# KiCad board Decent1200.kicad_pcb (continued)
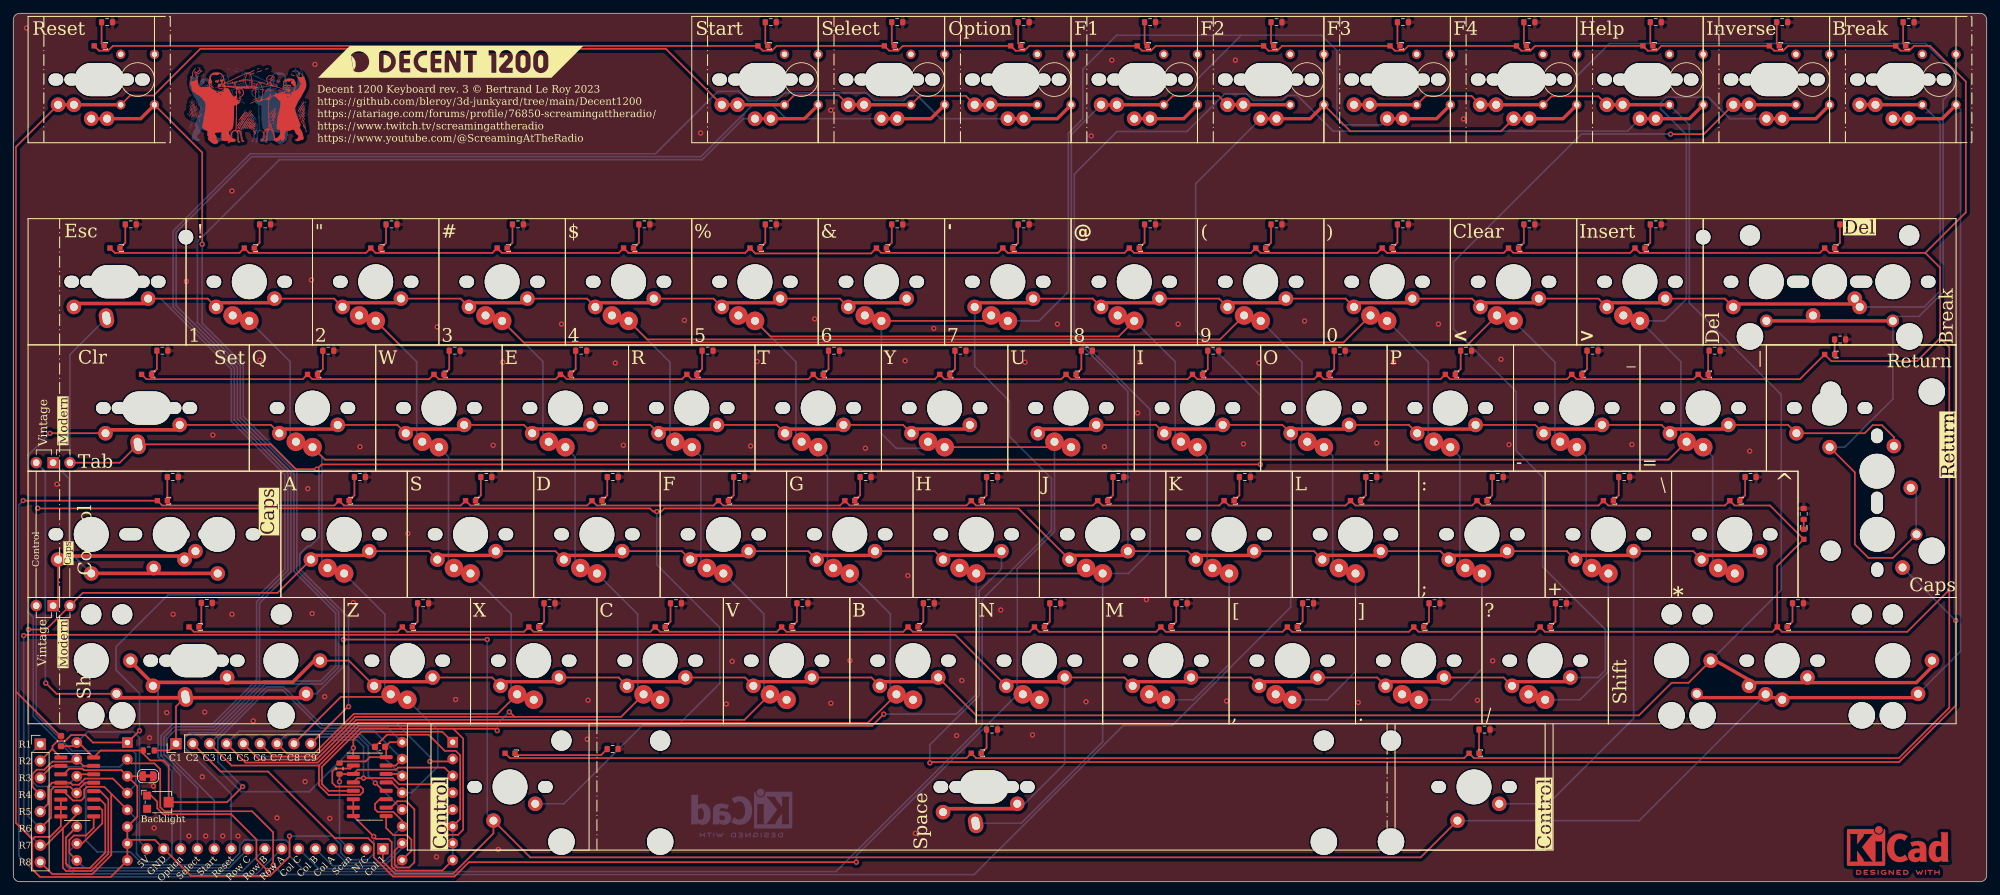
[diagram p0: board, top side]
## Nets (continued)
Net-(R8-Pad1): R8.1 SW7.3
Net-(R9-Pad1): R9.1 SW6.3
Net-(R10-Pad1): R10.1 SWU1.3
Net-(R11-Pad1): R11.1 SWY1.3
Net-(R12-Pad1): R12.1 SWFn1.3
Net-(R13-Pad1): R13.1 SWN1.3
Net-(R14-Pad1): R14.1 SWFn3.3
Net-(R15-Pad1): R15.1 SWOption1.3
Net-(R16-Pad1): R16.1 SWJ1.3
Net-(R17-Pad1): R17.1 SWH1.3
Net-(R18-Pad1): R18.1 SWSpc1.3
Net-(R19-Pad1): R19.1 SWHlp1.3
Net-(R20-Pad1): R20.1 SWReset1.3
Net-(R21-Pad1): R21.1 SW8.3
Net-(R22-Pad1): R22.1 SW5.3
Net-(R23-Pad1): R23.1 SWI1.3
Net-(R24-Pad1): R24.1 SWT1.3
Net-(R25-Pad1): R25.1 SWK1.3
Net-(R26-Pad1): R26.1 SWG1.3
Net-(R27-Pad1): R27.1 SWM1.3
Net-(R28-Pad1): R28.1 SWB1.3
Net-(R29-Pad1): R29.1 SW9.3
Net-(R30-Pad1): R30.1 SW4.3
Net-(R31-Pad1): R31.1 SWO1.3
Net-(R32-Pad1): R32.1 SWR1.3
Net-(R33-Pad1): R33.1 SWL1.3
Net-(R34-Pad1): R34.1 SWF1.3
Net-(R35-Pad1): R35.1 SWComma1.3
Net-(R36-Pad1): R36.1 SWV1.3
Net-(R37-Pad1): R37.1 SWCtlCaps1.3
Net-(R38-Pad1): R38.1 SW0.3
Net-(R39-Pad1): R39.1 SW3.3
Net-(R40-Pad1): R40.1 SWP1.3
Net-(R41-Pad1): R41.1 SWE1.3
Net-(R42-Pad1): R42.1 SWSemi1.3
Net-(R43-Pad1): R43.1 SWD1.3
Net-(R44-Pad1): R44.1 SWPeriod1.3
Net-(R45-Pad1): R45.1 SWC1.3
Net-(R46-Pad1): R46.1 SWLT1.3
Net-(R47-Pad1): R47.1 SW2.3
Net-(R48-Pad1): R48.1 SWDash1.3
Net-(R49-Pad1): R49.1 SWW1.3
Net-(R50-Pad1): R50.1 SWPlus1.3
Net-(R51-Pad1): R51.1 SWS1.3
Net-(R52-Pad1): R52.1 SWSlash1.3
Net-(R53-Pad1): R53.1 SWX1.3
Net-(R54-Pad1): R54.1 SWGT1.3
Net-(R55-Pad1): R55.1 SW1.3
Net-(R56-Pad1): R56.1 SWEqual1.3
Net-(R57-Pad1): R57.1 SWQ1.3
Net-(R58-Pad1): R58.1 SWStar1.3
Net-(R59-Pad1): R59.1 SWA1.3
Net-(R60-Pad1): R60.1 SWInv1.3
Net-(R61-Pad1): R61.1 SWZ1.3
Net-(R62-Pad1): R62.1 SWDel2.3
Net-(R63-Pad1): R63.1 SWEsc1.3
Net-(R64-Pad1): R64.1 SWRet2.3
Net-(R65-Pad1): R65.1 SWTab1.3
Net-(R66-Pad1): R66.1 SWFn2.3
Net-(R67-Pad1): R67.1 SWCps1.3
Net-(R68-Pad1): R68.1 SWFn4.3

Pads without a net: J1 2; RV1 3

## Via types
v1: diameter 0.8, hole 0.4, Top to Bottom, 119 vias

## Routing (per net, layer and track width the routed paths; a pad name or vN(x,y) marks a point on that pad's centre or on a via; arc(x,y) is an arc through that point)
GND: length 403
  Top w0.25: C2.1 56.31,22.17 62.59,22.17 65.02,19.74 66.68,19.74 67.34,19.08 67.34,9.47 U4.6 ; 0.4,28.69 0.4,110.85 SWReset1.2 ; 0.4,28.69 0.4,8.86 2.87,6.4 ; 0.4,28.69 7.09,22 ; SWStart1.2 117.65,118.63 124.38,118.63 SWSelect1.2 ; SWStart1.2 98.33,125.63 28.18,125.63 21.14,118.59 17.6,118.59 SWReset1.2 ; U1.6 U1.8 7.17,8.4 5.54,6.77 3.24,6.77 2.87,6.4 ; U3.3 18.69,14.42 18.69,9.8 U3.6 U3.7 ; U3.3 19.48,15.92 ; U3.3 16.28,16.83 10.64,16.83 10.42,17.04 8.44,17.04 7.6,16.2 ; U4.8 64.64,1.69 57.67,1.69 57.02,2.34 57.02,5.98 56.53,6.47 54.67,6.47 v1(54.31,6.83) U2.8 U2.6 ; 2.87,6.4 2.87,1.88 4.02,0.72 14.7,0.72 U3.8 U3.7 ; U3.7 17.75,6.32 21.32,6.32 J1.14 26.75,0.9 38.71,0.9 41.63,3.82 41.63,6.88 v1(41.63,6.88) ; SWSelect1.2 136.61,118.54 143.52,118.54 SWOption1.2
  Bottom w0.25: U4.8 U4.7 U4.6 ; v1(41.63,6.88) 48.07,6.88 49.34,5.61 49.34,4.37 50.38,3.33 53.41,3.33 54.33,4.25 54.33,6.81 v1(54.31,6.83)
VCC_LED: length 1860.8
  Top w0.25: v1(38.3,1.7) 36.64,3.36 36.64,6.37 32.83,10.18 22.59,10.18 21.7,11.07 21.7,12.07 20.77,13 RV1.1 ; SWCtl1.4 74.83,18.66 143.63,18.66 SWSpc1.4 145.08,18.66 218.63,18.66 SWCtl2.4 220.08,18.66 284.13,18.66 291.72,26.25 291.72,44.03 ; 291.72,44.03 285.4,37.7 266.52,37.7 SWRightSft1.4 ; 291.72,44.03 291.72,80.63 290.34,82.01 ; SWReset1.4 12.92,125.35 14.29,125.35 15.01,126.08 SWStart1.4 112.93,125.35 114.31,125.35 115.03,126.08 SWSelect1.4 131.98,125.35 133.32,125.35 134.04,126.08 SWOption1.4 151.03,125.35 152.37,125.35 153.09,126.08 SWFn1.4 170.08,125.35 171.45,125.35 172.17,126.08 SWFn2.4 189.13,125.35 190.48,125.35 191.2,126.08 SWFn3.4 208.18,125.35 209.49,125.35 210.21,126.08 SWFn4.4 227.23,125.35 228.61,125.35 229.33,126.08 SWHlp1.4 246.28,125.35 247.62,125.35 248.34,126.08 SWInv1.4 265.33,125.35 266.69,125.35 267.41,126.08 SWBrk1.4 284.38,125.35 285.71,125.35 286.43,126.08 288.83,126.08 294.21,120.7 294.21,100.96 288.11,94.85 ; 288.11,94.85 290.34,92.62 290.34,82.01 ; 288.11,94.85 273.66,94.85 SWDel2.4 272.21,94.85 245.09,94.85 SWGT1.4 243.64,94.85 226.04,94.85 SWLT1.4 224.59,94.85 206.99,94.85 SW0.4 205.54,94.85 187.94,94.85 SW9.4 186.49,94.85 168.89,94.85 SW8.4 167.44,94.85 149.84,94.85 SW7.4 148.39,94.85 130.79,94.85 SW6.4 129.25,94.77 111.82,94.77 SW5.4 110.29,94.85 92.69,94.85 SW4.4 91.24,94.85 73.64,94.85 SW3.4 72.19,94.85 54.59,94.85 SW2.4 53.14,94.85 35.54,94.85 SW1.4 34.09,94.85 15.3,94.85 SWEsc1.4 ; SWLeftSft1.4 27.2,37.7 57.9,37.7 SWZ1.4 59.35,37.7 76.95,37.7 SWX1.4 78.4,37.7 96,37.7 SWC1.4 97.45,37.7 115.05,37.7 SWV1.4 116.5,37.7 134.1,37.7 SWB1.4 135.55,37.7 153.15,37.7 SWN1.4 154.6,37.7 172.2,37.7 SWM1.4 173.65,37.7 191.25,37.7 SWComma1.4 192.7,37.7 210.3,37.7 SWPeriod1.4 211.75,37.7 229.35,37.7 SWSlash1.4 230.8,37.7 265.07,37.7 SWRightSft1.4 ; SWRightSft1.4 265.79,47.65 SWCps1.4 264.69,56.75 259.38,56.75 SWStar1.4 257.93,56.75 240.33,56.75 SWPlus1.4 238.88,56.75 221.28,56.75 SWSemi1.4 219.83,56.75 202.23,56.75 SWL1.4 200.78,56.75 183.18,56.75 SWK1.4 181.73,56.75 164.13,56.75 SWJ1.4 162.68,56.75 145.08,56.75 SWH1.4 143.63,56.75 126.03,56.75 SWG1.4 124.58,56.75 106.98,56.75 SWF1.4 105.53,56.75 87.93,56.75 SWD1.4 86.48,56.75 68.88,56.75 SWS1.4 67.43,56.75 49.83,56.75 SWA1.4 48.38,56.75 22.44,56.75 SWCtlCaps1.4 1.52,57.48 v1(1.5,57.5) ; 82.68,76.53 83.4,75.8 100.76,75.8 SWR1.4 102.21,75.8 119.81,75.8 SWT1.4 121.26,75.8 138.86,75.8 SWY1.4 140.31,75.8 157.91,75.8 SWU1.4 159.36,75.8 176.96,75.8 SWI1.4 178.41,75.8 196.01,75.8 SWO1.4 197.46,75.8 215.06,75.8 SWP1.4 216.51,75.8 234.11,75.8 SWDash1.4 235.56,75.8 253.16,75.8 SWEqual1.4 254.61,75.8 269.21,75.8 SWRet2.4 273.95,78.52 286.85,78.52 290.34,82.01 ; SWE1.4 81.71,75.8 64.11,75.8 SWW1.4 62.66,75.8 45.06,75.8 SWQ1.4 43.61,75.8 20.06,75.8 SWTab1.4
  Bottom w0.25: v1(38.3,1.7) 37.35,0.74 4.02,0.74 0.83,3.93 0.83,56.83 v1(1.5,57.5)
VDD: length 118.1
  Top w0.25: 49.42,18.15 53.09,18.15 53.74,18.79 U2.16 56.19,20.2 ; C1.2 9.02,20.45 U3.16 ; C2.2 56.74,21.05 U4.16 ; 9.86,21 U1.16 13.17,19.8 R70.1 19.59,19.32 20.62,18.3 22.63,18.3 23.42,17.51 RV1.2 32.21,12 v1(34.56,14.35)
  Bottom w0.25: J1.15 19.02,6.09 19.02,21.72 18.13,22.61 11.18,22.61 U3.16 ; v1(34.56,14.35) 30.84,18.07 30.84,21.43 38.34,28.93 40.57,28.93 46.33,23.18 56.47,23.18 U4.16
COL_1: length 437
  Top w0.25: SWLeftSft1.1 24.52,26.44 J2.1 23.49,19.8 R70.2 ; SWCtl2.1 212.07,3.68 77.9,3.68 SWCtl1.1 72.35,7.29 66.3,1.24 57.49,1.24 55.69,3.04 J1.1 ; SWLeftSft1.1 6.51,28.35 v1(4.89,29.97) ; v1(71.42,36.53) v1(49.76,36.53)
  Bottom w0.25: SWCtl2.1 244.99,9.22 SWRightSft1.1 ; v1(71.42,36.53) 71.42,10.15 SWCtl1.1 ; v1(49.76,36.53) 49.76,32.45 45.66,28.35 SWLeftSft1.1 ; v1(4.89,29.97) 4.82,30.04 4.82,61.84 JP1.1 ; SWRightSft1.1 293.42,34.75 293.42,116.51 SWBrk1.1
COL_2: length 409.5
  Top w0.25: U4.1 64.64,22.62 52.43,22.62 51.24,21.43 51.24,20.22 v1(51.25,20.2) 51.24,20.19 U2.1 ; v1(127.03,2.95) 68.65,2.95 66.49,0.79 57.21,0.79 54.33,3.67 54.33,5.73 53.47,6.59 48.43,6.59 38.39,16.63 31.25,16.63 J2.2 ; SWY1.1 156.07,65.55 ; SW6.1 146.54,84.6
  Bottom w0.25: 185.04,127.69 166.26,127.69 161.16,122.59 161.16,115.08 158.98,112.9 158.98,89.01 154.57,84.6 SW7.1 ; 185.04,127.69 197.12,127.69 199.45,125.36 199.45,115.05 200.34,114.16 206.07,114.16 SWFn3.1 ; 185.04,127.69 178.44,121.09 SWFn1.1 ; SW6.1 130.81,67.61 133.04,65.38 136.85,65.38 SWY1.1 ; 51.24,20.22 44.6,13.58 34.3,13.58 J2.2 ; 151.28,29.11 151.28,47.2 156.89,52.81 SWU1.1 ; v1(127.03,2.95) 127.03,3.95 151.35,28.27
COL_3: length 435.1
  Top w0.25: SWH1.1 160.83,46.5 ; v1(131.16,25.28) 129.41,23.52 52.06,23.52 46.07,17.53 ; 46.07,17.53 46.07,14.54 47.51,13.09 52.26,13.09 52.71,13.54 52.71,13.99 52.34,14.36 48.62,14.36 48.07,14.91 48.07,16.64 48.5,17.07 50.78,17.07 U2.2 ; 46.07,17.53 32.89,17.53 J2.3 ; v1(62.77,18.14) 65.85,18.14
  Bottom w0.25: SWSpc1.1 151.87,8.82 164.15,21.1 SWJ1.1 168.03,46.5 171.29,49.76 171.29,71.24 159.88,82.65 159.88,106.74 166.31,113.16 176.87,113.16 182.53,118.83 185.84,118.83 186.82,117.85 191.26,117.85 192.02,118.61 193.48,118.61 198.86,113.23 243.24,113.23 SWHlp1.1 ; v1(62.77,18.14) 62.77,18.86 58,23.63 46.51,23.63 40.76,29.38 38.15,29.38 J2.3 ; v1(131.16,25.28) 142.1,25.28 145.1,28.28 SWH1.1
COL_4: length 319.7
  Top w0.25: U2.15 57.61,17.52 U4.15 ; SW8.1 166.56,82.25 114.11,82.25 SW5.1 ; SWB1.1 128.78,23.97 51.87,23.97 45.88,17.98 34.98,17.98 J2.4
  Bottom w0.25: 183.22,46.48 183.22,32.82 177.85,27.45 SWM1.1 ; J2.4 34.04,22.73 54.38,22.73 U4.15 ; 175.09,67.22 175.09,78.42 SW8.1 ; 122.68,48.19 122.68,64.16 SWT1.1 ; SWI1.1 179.89,64.1 179.89,48.13 ; SW5.1 117.93,78.43 117.93,67.23 ; SWG1.1 132.16,40.39 132.16,29.18 SWB1.1
COL_5: length 345.4
  Top w0.25: SWV1.1 110.18,24.42 51.69,24.42 45.69,18.43 37.07,18.43 J2.5 ; U2.4 51.88,15.63 v1(52.78,15.63) 57.19,15.63 58.12,14.7 64.95,14.7 U4.4 ; SW4.1 95.51,81.8 181.84,81.8 SW9.1
  Bottom w0.25: SWComma1.1 198.01,27.45 202.25,31.69 SWL1.1 ; SW4.1 98.96,78.35 98.96,67.15 ; SWF1.1 113.09,40.41 113.09,29.2 SWV1.1 ; v1(52.78,15.63) 52.78,20.37 51.77,21.38 48.09,21.38 45.62,18.9 36.6,18.9 J2.5 ; 103.61,48.21 103.61,64.18 SWR1.1 ; 194.16,67.2 194.16,78.4 SW9.1 ; SWO1.1 198.81,64.23 198.81,48.26 SWL1.1
COL_6: length 382.2
  Top w0.25: 66.31,23.07 72.66,23.07 v1(72.93,22.8) ; 66.31,23.07 52.25,23.07 46.52,17.35 46.52,14.72 47.53,13.72 U2.5 ; 66.31,23.07 67.79,21.59 67.79,7.85 67.01,7.07 65.52,7.07 65.09,7.5 65.09,9.76 U4.5 ; SW0.1 200.44,81.35 76.91,81.35 SW3.1 ; 75.53,24.87 91.58,24.87 SWC1.1 ; 75.53,24.87 51.5,24.87 45.51,18.88 39.16,18.88 J2.6 ; 75.53,24.87 74.79,25.62 v1(74.74,25.62)
  Bottom w0.25: SWP1.1 217.97,64.12 217.97,48.15 ; SWD1.1 94.09,40.36 94.09,29.15 ; v1(74.74,25.62) 72.93,23.81 v1(72.93,22.8) ; SW3.1 79.81,78.45 79.81,67.25 ; 213.23,67.18 213.23,78.38 SW0.1 ; 84.65,48.12 84.65,64.09 SWE1.1 ; SWPeriod1.1 216.63,27.45 221.3,32.12 SWSemi1.1
COL_7: length 360.2
  Top w0.25: SWX1.1 72.98,25.32 51.32,25.32 45.32,19.33 41.25,19.33 J2.7 ; U2.14 58.31,16.25 ; SW2.1 58.31,80.9 219.04,80.9 SWLT1.1
  Bottom w0.25: U4.14 52.29,22.28 41.21,22.28 J2.7 ; 65.58,48.14 65.58,64.11 SWW1.1 ; 237,48.17 237,64.14 SWDash1.1 ; SWX1.1 75.02,29.17 75.02,40.38 SWS1.1 ; SWSlash1.1 236.08,27.45 240.35,31.72 SWPlus1.1 ; 60.79,67.22 60.79,78.42 SW2.1 ; 232.3,67.16 232.3,78.36 SWLT1.1
COL_8: length 401
  Top w0.25: U4.13 57.04,14.98 U2.13 ; SWQ1.1 46.97,63.67 249.44,63.67 SWEqual1.1 ; 56.49,27.88 49.35,27.88 J2.8
  Bottom w0.25: SWZ1.1 63.98,22.84 63.98,17.39 60.02,13.43 U4.13 ; SWQ1.1 46.51,64.13 46.51,48.16 ; SWEqual1.1 256.07,64.12 256.07,48.15 ; SW1.1 41.72,78.44 41.72,67.24 ; SWInv1.1 258.66,115.1 255.43,118.33 249.07,118.33 248.24,117.5 248.24,116.56 252.1,112.7 252.1,87.89 248.81,84.6 SWGT1.1 251.27,78.44 251.27,67.24 ; 56,29.14 56,40.35 SWA1.1
COL_9: length 536.9
  Top w0.25: v1(187.92,62.95) 46.47,62.95 v1(45.74,62.22) 42.55,62.22 38.8,65.97 SWTab1.1 16.05,63.21 JP1.3 ; J2.9 50.42,26.41 v1(50.52,26.41) ; 55.74,13.72 v1(54.55,14.91) ; SWFn4.1 224.16,113.2 201.48,113.2 SWFn2.1 ; SWRet2.1 277.49,61.75 277.49,50.89 279.52,48.86 283.24,48.86 SWCps1.1
  Bottom w0.25: U4.12 53.51,15.98 53.51,20.42 52.1,21.83 45.84,21.83 J2.9 ; SWRet2.1 275.95,65.55 283.21,72.81 SWDel2.1 283.88,85.27 287.15,85.27 290.8,88.92 290.8,117.92 292.42,119.54 292.42,122.19 288.17,126.44 240.53,126.44 235.59,121.5 SWFn4.1 ; JP1.3 8.54,79.52 SWEsc1.1 ; v1(50.52,26.41) 50.52,39.86 43.17,47.21 43.17,49.44 44.39,50.66 44.78,50.66 46.06,51.94 46.06,61.9 v1(45.74,62.22) ; v1(187.92,62.95) 187.92,73.37 178.17,83.12 178.17,105.31 SWFn2.1 ; 286.73,52.4 286.73,58.6 SWRet1.1
LED_GND:
  vias: v1(1.99,128.77) v1(6.57,59.96) v1(7.13,33.35) v1(20.53,21.71) v1(21.12,14.42) v1(21.22,8.12) v1(23.12,25.51) v1(24.09,40.34) v1(26.08,90.55) v1(26.47,6.9) v1(28.48,15.84) v1(28.85,25.59) v1(29,6.9) v1(30.07,67.38) v1(31.56,6.9) v1(32.95,104.19) v1(32.95,40.34) v1(33.86,6.9) v1(36.17,24.26) v1(37.17,78.69) v1(39.74,9.63) v1(43.97,15.1) v1(44.37,59.29) v1(44.93,90.77) v1(45.04,40.45) v1(45.45,123.29) v1(46.92,27.92) v1(47.69,9.56) v1(51.24,42.11) v1(52.24,65.61) v1(59.45,52.53) v1(63.55,13.62) v1(63.77,3.76) v1(63.88,83.68) v1(66.65,27.48) v1(72.31,65.83) v1(73.08,4.87) v1(73.75,78.36) v1(82.61,84.12) v1(86.49,21.49) v1(86.61,27.37) v1(90.71,78.25) v1(91.93,65.83) v1(101.13,84.68) v1(103.57,112.94) v1(107.44,26.81) v1(108.33,33.24) v1(111.1,65.72) v1(112.1,78.47) v1(120.75,84.9) v1(123.19,116.38) v1(123.19,26.92) v1(126.07,33.35) v1(128.4,65.39) v1(134.38,78.58) v1(134.79,46.18) v1(135.93,7.3) v1(138.7,83.46) v1(142.14,22.05) v1(142.92,30.36) v1(148.79,41) v1(152.45,78.36) v1(153.58,22.16) v1(157.33,84.12) v1(161.65,27.15) v1(162.43,112.5) v1(164.42,65.61) v1(165.53,123.92) v1(169.41,70.71) v1(169.74,78.36) v1(170.74,42.55) v1(175.51,84.12) v1(182.82,27.26) v1(184.15,123.92) v1(185.37,66.05) v1(187.7,78.25) v1(194.57,84.57) v1(202.66,27.04) v1(205.44,66.17) v1(207.98,78.36) v1(214.75,84.12) v1(218.52,115.05) v1(220.62,27.37) v1(222.91,33.32) v1(224.17,78.8) v1(225.39,65.94) v1(243.9,65.94) v1(261.64,64.95)
OPTION: length 250.8
  Bottom w0.25: SWOption1.1 139.7,115.1 136.22,118.58 134.97,118.58 134.23,117.84 129.67,117.84 128.52,118.99 116.2,118.99 115.01,117.8 110.74,117.8 109.32,119.22 106.17,119.22 96.76,109.81 35.73,109.81 24.09,98.17 24.09,86.71 33.31,77.5 33.31,69.64 41.37,61.58 41.37,46.94 36.66,42.23 36.66,30.44 30.05,23.82 24.08,23.82 22.26,22 22.26,19.01 25.21,16.06 J1.13
RESET: length 143.6
  Top w0.25: SWReset1.1 28.47,109.99 v1(28.47,96.16)
  Bottom w0.25: v1(28.47,96.16) 28.47,84.24 34.66,78.06 34.66,70.2 42.72,62.13 42.72,47.02 49.03,40.71 49.03,32.36 46.5,29.83 37.96,29.83 30.6,22.47 26.53,22.47 25.88,21.82 25.88,20.21 32.83,13.26 J1.10
ROW_1: length 356.5
  Top w0.25: SWGT1.2 257.9,87.96 SWDel2.2 ; SW7.2 162.65,87.96 SW8.2 ; SW9.2 181.7,87.96 SW8.2 ; SW0.2 219.8,87.96 SWLT1.2 ; SW9.2 200.75,87.96 SW0.2 ; 9.86,16.2 U1.14 ; SWLT1.2 238.85,87.96 SWGT1.2
  Bottom w0.25: SW7.2 144.86,77.74 150.12,72.48 150.12,67.16 156.44,60.84 156.44,52.99 146,42.56 146,23.56 123.97,1.53 44,1.53 41.63,3.9 41.63,5.72 41.07,6.28 34.9,6.28 34.12,5.5 34.12,4.36 32.3,2.54 19.58,2.54 17.62,4.5 12.66,4.5 10.91,6.25 10.91,14.58 U3.14 8.03,14.38 3.64,14.38 2.84,15.17 2.84,19.52 J3.1 ; SWBrk1.2 290.35,114.5 290.35,89.11 287.94,86.7 SWDel2.2
ROW_2: length 179.3
  Top w0.25: SW1.2 29.3,87.96 SWEsc1.2 ; 17.24,21 v1(19.02,22.78) ; SW3.2 86.45,87.96 SW4.2 ; J3.2 5.85,19.99 5.92,19.99 ; 5.92,19.99 5.92,20.47 6.67,21.22 7.82,21.22 8.72,22.12 10.87,22.12 11.99,21 U3.1 ; 5.92,19.99 U1.1 ; SW2.2 48.35,87.96 SW1.2 ; SW6.2 124.55,87.96 SW5.2 ; SW5.2 105.5,87.96 SW4.2 ; SW2.2 67.4,87.96 SW3.2
  Bottom w0.25: v1(19.02,22.78) 19.02,28.4 15.48,31.94 15.48,35.44 23.31,43.27 37.06,43.27 40.92,47.13 40.92,61.39 32.86,69.45 32.86,77.31 22.21,87.96 SWEsc1.2
ROW_3: length 331.7
  Top w0.25: SWO1.2 210.28,68.91 SWP1.2 ; J3.3 5.87,17.47 U1.2 ; SWRet1.2 283.37,67.07 281.57,68.87 280.18,68.87 278.96,67.65 SWRet2.2 267.43,68.91 SWEqual1.2 ; SWU1.2 172.18,68.91 SWI1.2 ; U3.2 17.8,17.85 21.27,17.85 22.15,16.97 22.15,11.26 22.78,10.63 35.98,10.63 39.15,7.46 39.15,2.54 v1(39.18,2.51) ; SWEqual1.2 248.38,68.91 SWDash1.2 ; SWO1.2 191.23,68.91 SWI1.2 ; SWDash1.2 229.33,68.91 SWP1.2
  Bottom w0.25: U3.2 16.07,17.33 5.73,17.33 J3.3 ; SWO1.2 192.49,41.42 174.63,23.56 167.25,23.56 144.77,1.08 40.61,1.08 v1(39.18,2.51)
ROW_4: length 145
  Top w0.25: SWTab1.2 38.83,68.91 SWQ1.2 ; 9.23,18.12 5.88,18.12 4.66,16.9 3.54,16.9 2.89,16.25 2.89,14.3 J3.4 ; U1.15 10.56,17.47 U3.15 ; SWE1.2 95.98,68.91 SWR1.2 ; v1(5.52,67.63) 5.54,67.65 SWTab1.2 ; SWW1.2 76.93,68.91 SWE1.2 ; SWT1.2 115.03,68.91 SWR1.2 ; SWQ1.2 57.88,68.91 SWW1.2 ; SWY1.2 134.08,68.91 SWT1.2
  Bottom w0.25: 9.52,18.46 3.01,24.98 3.01,39.88 2.28,40.61 2.28,64.39 v1(5.52,67.63)
ROW_5: length 485.3
  Top w0.25: SWPlus1.2 253.14,49.86 SWStar1.2 ; SWPlus1.2 234.09,49.86 SWSemi1.2 ; SWFn2.2 181.62,118.54 174.71,118.54 SWFn1.2 ; J3.5 5.24,11.76 5.24,14.33 5.84,14.94 U1.4 8.62,14.94 8.92,14.63 9.89,14.63 10.82,15.56 15.01,15.56 U3.4 ; SWL1.2 215.04,49.86 SWSemi1.2 ; SWL1.2 195.99,49.86 SWK1.2 ; v1(3.69,56.34) 3.73,56.3 95.95,56.3 96.42,55.84 v1(96.96,55.84) 97.62,55.84 98.08,56.3 151.45,56.3 SWJ1.2 ; SWJ1.2 176.94,49.86 SWK1.2
  Bottom w0.25: v1(96.96,55.84) 96.96,47.83 106.45,38.34 106.45,29.92 100.27,23.74 94.95,23.74 82.97,11.76 SWCtl1.2 ; SWJ1.2 167.95,73.94 159.43,82.46 159.43,112.72 SWFn1.2 ; U3.4 18.44,14.63 18.44,19.3 18,19.74 8.88,19.74 3.46,25.16 JP2.1 3.46,56.11 v1(3.69,56.34) ; SWCtl2.2 231.28,11.76 244.15,24.63 SWPlus1.2
ROW_6: length 364.2
  Top w0.25: v1(2.28,38.05) 4.95,38.05 JP2.3 10.48,43.58 39.83,43.58 SWA1.2 ; SWF1.2 100.74,49.86 SWD1.2 ; SWG1.2 138.84,49.86 SWH1.2 ; J3.6 5.69,9.67 5.69,13.84 6.15,14.3 8.59,14.3 9.51,13.38 ; v1(138.11,17.93) 138.24,18.06 284.17,18.06 292.69,26.58 v1(292.69,39.4) ; SWG1.2 119.79,49.86 SWF1.2 ; SWD1.2 81.69,49.86 SWS1.2 ; U1.13 10.83,14.94 9.57,13.68 ; SWS1.2 62.64,49.86 SWA1.2
  Bottom w0.25: v1(138.11,17.93) 138.11,20.65 145.55,28.09 145.55,43.85 148.9,47.2 SWH1.2 ; J3.6 2.28,9.83 v1(2.28,38.05) ; SWCps1.2 292.68,39.4 v1(292.69,39.4)
ROW_7: length 411.6
  Top w0.25: v1(1.56,37.12) 1.69,37.25 141.92,37.25 SWN1.2 ; SWComma1.2 205.52,30.81 SWPeriod1.2 ; v1(249.73,112.76) 254.72,112.76 SWInv1.2 ; U3.12 9.57,10.16 4.92,5.51 J3.7 ; 7.47,8.07 7.47,2.1 7.95,1.62 11.73,1.62 14.32,4.21 14.32,12.44 13.09,13.66 U1.12 ; SWM1.2 186.47,30.81 SWComma1.2 ; SWN1.2 167.42,30.81 SWM1.2 ; SWSlash1.2 224.57,30.81 SWPeriod1.2
  Bottom w0.25: J3.7 1.56,8.02 v1(1.56,37.12) ; v1(249.73,112.76) 249.71,112.78 236.29,112.78 217.01,93.5 217.01,83.38 226.45,73.94 226.45,65.02 230.44,61.03 230.44,47.5 239.87,38.07 239.9,38.07 239.9,31.91 238.8,30.81 SWSlash1.2 ; SWSpc1.2 152.38,11.76 158.43,17.8 SWN1.2
ROW_8: length 366.8
  Top w0.25: SWZ1.2 50.58,33.35 SWLeftSft1.2 ; SWFn4.2 231.79,118.47 238.84,118.47 SWHlp1.2 ; SWX1.2 91.22,30.81 SWC1.2 ; 7.58,13.66 8.99,12.25 10.23,12.25 10.7,12.72 10.7,13.89 11.11,14.31 13.72,14.31 14.77,13.26 ; SWFn3.2 212.81,118.54 219.72,118.54 SWFn4.2 ; SWB1.2 145.09,25.09 244.97,25.09 249.88,30.01 252.44,30.01 SWRightSft1.2 ; SWX1.2 72.17,30.81 SWZ1.2 ; SWB1.2 129.32,30.81 SWV1.2 ; U3.5 14.77,13.26 ; 14.77,13.26 14.77,4.02 11.92,1.17 5.86,1.17 J3.8 ; SWV1.2 110.27,30.81 SWC1.2
  Bottom w0.25: U3.5 18.57,9.46 18.57,4.19 19.77,2.99 22.88,2.99 23.91,4.03 23.91,16.71 21.81,18.81 21.81,28.78 SWLeftSft1.2 ; SWHlp1.2 252.55,114.2 252.55,87.33 266.4,73.48 266.4,43.98 SWRightSft1.2
SELECT: length 228.9
  Bottom w0.25: J1.12 27.75,14.15 22.71,19.19 22.71,21.82 24.26,23.37 30.23,23.37 37.11,30.25 37.11,42.04 41.82,46.75 41.82,61.76 33.76,69.83 33.76,77.68 24.54,86.89 24.54,97.98 35.92,109.36 103.61,109.36 111.6,117.35 114.21,117.35 116.46,115.1 SWSelect1.1
START: length 213.9
  Bottom w0.25: J1.11 30.29,12.25 23.16,19.38 23.16,21.63 24.45,22.92 30.42,22.92 37.78,30.28 46.31,30.28 48.58,32.55 48.58,40.52 42.27,46.83 42.27,61.95 34.21,70.01 34.21,77.87 27.75,84.33 27.75,96.53 40.08,108.87 40.08,108.91 103.8,108.91 109.99,115.1 SWStart1.1
Net-(J1-Pin_3): length 29.8
  Top w0.25: U2.3 51.88,16.9 57.65,16.9 57.97,17.22 64.97,17.22 U4.3 ; R69.2 51.23,16.24 ; v1(49.15,15.08) 49.15,16.23
  Bottom w0.25: J1.3 49.15,6.44 v1(49.15,15.08)
Net-(J1-Pin_4): length 23.6
  Top w0.25: U4.11 58.6,9.2 57.27,10.53 54.91,10.53 54.51,10.93 54.51,11.74 55.21,12.44 U2.11
  Bottom w0.25: U4.11 57.47,7.22 57.47,4.6 55.76,2.88 50.17,2.88 J1.4
Net-(J1-Pin_5): length 35.6
  Top w0.25: U4.10 57.47,4.69 57.47,2.53 57.86,2.14 59.65,2.14 60.44,2.94 60.44,10.92 59.22,12.14 57.86,12.14 56.9,11.17
  Bottom w0.25: J1.5 48.08,2.43 55.94,2.43 58.6,5.08 U4.10
Net-(J1-Pin_6): length 27.4
  Top w0.25: U2.9 56.19,8.11 57.27,7.03 59.29,7.03 59.99,6.33 59.99,4.66 U4.9
  Bottom w0.25: J1.6 45.99,1.98 57.31,1.98 U4.9
Net-(J1-Pin_7): length 63.8
  Top w0.25: U1.11 13.09,12.39 13.87,11.62 13.87,4.4 11.54,2.07 8.62,2.07 7.94,2.75 7.94,6.67 U3.11
  Bottom w0.25: J1.7 36.67,1.19 9.12,1.19 8,2.32 8,6.72 U3.11
Net-(J1-Pin_8): length 43.5
  Top w0.25: U3.10 10.37,5.76 13.42,8.8 13.42,10.8 13.09,11.12 12.12,11.12
  Bottom w0.25: J1.8 34.58,1.64 9.31,1.64 8.45,2.5 8.45,4.63 U3.10
Net-(J1-Pin_9): length 37.1
  Top w0.25: U1.9 12.12,8.14 10.95,6.97 9.14,6.97 8.45,6.28 8.45,4.34 U3.9
  Bottom w0.25: U3.9 10.7,2.09 32.49,2.09 J1.9
Net-(JP1-C): length 19.1
  Bottom w0.25: SWCtlCaps1.1 8.37,49.88 8.37,60.84 JP1.2
Net-(JP2-C): length 7.3
  Top w0.25: JP2.2 6.75,42.39 SWCtlCaps1.2
Net-(R1-Pad1): length 3.7
  Top w0.25: SWStart1.3 113.32,126.46 R1.1
Net-(R2-Pad1): length 3.6
  Top w0.25: SWCtl2.3 220.86,22.95
Net-(R3-Pad1): length 3.7
  Top w0.25: R3.1 284.77,126.46 SWBrk1.3
Net-(R4-Pad1): length 14
  Top w0.25: R4.1 88.57,19.1 75.88,19.1
Net-(R5-Pad1): length 3.8
  Top w0.25: R5.1 28.34,38.79 SWLeftSft1.3
Net-(R6-Pad1): length 3.9
  Top w0.25: R6.1 268.1,39.24 SWRightSft1.3
Net-(R7-Pad1): length 3.7
  Top w0.25: R7.1 132.37,126.46 SWSelect1.3
Net-(R8-Pad1): length 3.9
  Top w0.25: R8.1 151.42,96.39 SW7.3
Net-(R9-Pad1): length 3.9
  Top w0.25: SW6.3 132.37,96.39 R9.1
Net-(R10-Pad1): length 3.9
  Top w0.25: R10.1 160.94,77.34 SWU1.3
Net-(R11-Pad1): length 3.9
  Top w0.25: SWY1.3 141.89,77.34 R11.1
Net-(R12-Pad1): length 3.7
  Top w0.25: SWFn1.3 170.47,126.46 R12.1
Net-(R13-Pad1): length 3.9
  Top w0.25: R13.1 156.18,39.24 SWN1.3
Net-(R14-Pad1): length 3.7
  Top w0.25: R14.1 208.57,126.46 SWFn3.3
Net-(R15-Pad1): length 3.7
  Top w0.25: SWOption1.3 151.42,126.46 R15.1
Net-(R16-Pad1): length 3.9
  Top w0.25: SWJ1.3 165.71,58.29 R16.1
Net-(R17-Pad1): length 3.9
  Top w0.25: SWH1.3 146.66,58.29 R17.1
Net-(R18-Pad1): length 3.9
  Top w0.25: R18.1 146.66,20.19 SWSpc1.3
Net-(R19-Pad1): length 3.7
  Top w0.25: SWHlp1.3 246.67,126.46 R19.1
Net-(R20-Pad1): length 3.7
  Top w0.25: SWReset1.3 13.31,126.46 R20.1
Net-(R21-Pad1): length 3.9
  Top w0.25: R21.1 170.47,96.39 SW8.3
Net-(R22-Pad1): length 3.9
  Top w0.25: R22.1 113.32,96.39 SW5.3
Net-(R23-Pad1): length 3.9
  Top w0.25: SWI1.3 179.99,77.34 R23.1
Net-(R24-Pad1): length 3.9
  Top w0.25: R24.1 122.84,77.34 SWT1.3
Net-(R25-Pad1): length 3.9
  Top w0.25: R25.1 184.76,58.29 SWK1.3
Net-(R26-Pad1): length 3.9
  Top w0.25: SWG1.3 127.61,58.29 R26.1
Net-(R27-Pad1): length 3.9
  Top w0.25: SWM1.3 175.23,39.24 R27.1
Net-(R28-Pad1): length 3.9
  Top w0.25: R28.1 137.13,39.24 SWB1.3
Net-(R29-Pad1): length 3.9
  Top w0.25: R29.1 189.52,96.39 SW9.3
Net-(R30-Pad1): length 3.9
  Top w0.25: SW4.3 94.27,96.39 R30.1
Net-(R31-Pad1): length 3.9
  Top w0.25: R31.1 199.04,77.34 SWO1.3
Net-(R32-Pad1): length 3.9
  Top w0.25: SWR1.3 103.79,77.34 R32.1
Net-(R33-Pad1): length 3.9
  Top w0.25: SWL1.3 203.81,58.29 R33.1
Net-(R34-Pad1): length 3.9
  Top w0.25: R34.1 108.56,58.29 SWF1.3
Net-(R35-Pad1): length 3.9
  Top w0.25: R35.1 194.28,39.24 SWComma1.3
Net-(R36-Pad1): length 3.9
  Top w0.25: R36.1 118.08,39.24 SWV1.3
Net-(R37-Pad1): length 3.6
  Top w0.25: SWCtlCaps1.3 R37.1
Net-(R38-Pad1): length 3.9
  Top w0.25: SW0.3 208.57,96.39 R38.1
Net-(R39-Pad1): length 3.9
  Top w0.25: R39.1 75.22,96.39 SW3.3
Net-(R40-Pad1): length 3.9
  Top w0.25: R40.1 218.09,77.34 SWP1.3
Net-(R41-Pad1): length 3.9
  Top w0.25: SWE1.3 84.74,77.34 R41.1
Net-(R42-Pad1): length 3.9
  Top w0.25: R42.1 222.86,58.29 SWSemi1.3
Net-(R43-Pad1): length 3.9
  Top w0.25: R43.1 89.51,58.29 SWD1.3
Net-(R44-Pad1): length 3.9
  Top w0.25: SWPeriod1.3 213.33,39.24 R44.1
Net-(R45-Pad1): length 3.9
  Top w0.25: R45.1 99.03,39.24 SWC1.3
Net-(R46-Pad1): length 3.9
  Top w0.25: R46.1 227.62,96.39 SWLT1.3
Net-(R47-Pad1): length 3.9
  Top w0.25: SW2.3 56.17,96.39 R47.1
Net-(R48-Pad1): length 3.9
  Top w0.25: SWDash1.3 237.14,77.34 R48.1
Net-(R49-Pad1): length 3.9
  Top w0.25: R49.1 65.69,77.34 SWW1.3
Net-(R50-Pad1): length 3.9
  Top w0.25: SWPlus1.3 241.91,58.29 R50.1
Net-(R51-Pad1): length 3.9
  Top w0.25: SWS1.3 70.46,58.29 R51.1
Net-(R52-Pad1): length 3.9
  Top w0.25: SWSlash1.3 232.38,39.24 R52.1
Net-(R53-Pad1): length 3.9
  Top w0.25: R53.1 79.98,39.24 SWX1.3
Net-(R54-Pad1): length 3.9
  Top w0.25: R54.1 246.67,96.39 SWGT1.3
Net-(R55-Pad1): length 3.9
  Top w0.25: R55.1 37.12,96.39 SW1.3
Net-(R56-Pad1): length 3.4
  Top w0.25: SWEqual1.3 255.39,79.96
Net-(R57-Pad1): length 3.9
  Top w0.25: R57.1 46.64,77.34 SWQ1.3
Net-(R58-Pad1): length 3.9
  Top w0.25: R58.1 260.96,58.29 SWStar1.3
Net-(R59-Pad1): length 3.9
  Top w0.25: SWA1.3 51.41,58.29 R59.1
Net-(R60-Pad1): length 3.7
  Top w0.25: SWInv1.3 265.72,126.46 R60.1
Net-(R61-Pad1): length 3.9
  Top w0.25: SWZ1.3 60.93,39.24 R61.1
Net-(R62-Pad1): length 3.9
  Top w0.25: R62.1 275.24,96.39 SWDel2.3
Net-(R63-Pad1): length 3.9
  Top w0.25: SWEsc1.3 16.88,96.39 R63.1
Net-(R64-Pad1): length 2.3
  Top w0.25: R64.1 274.45,79.54
Net-(R65-Pad1): length 3.9
  Top w0.25: SWTab1.3 21.64,77.34 R65.1
Net-(R66-Pad1): length 3.7
  Top w0.25: R66.1 189.52,126.46 SWFn2.3
Net-(R67-Pad1): length 1.5
  Top w0.25: R67.1 269.78,53.17
Net-(R68-Pad1): length 3.7
  Top w0.25: R68.1 227.62,126.46 SWFn4.3

## Copper pours and planes (outline as drawn; the poured copper is in the pictures)
LED_GND on Top, Bottom: -1.28,132.23 298.02,132.1 299.12,-8.47 -2.38,-8.27

## Text on the board
B.Silkscreen: C8 | C9 | (R6,C9) | (R3,C9) | R4 | R6 | R3 | R2 | (R8,C1) | (R5,C1) | (R7,C3) | (6,17) | R1 | R5 | R7 | R8 | C1 | C2 | C3 | C4 | C5 | C6 | C7 | (R1,C1) | 5V | GND | Option | Select | Start | Reset | Row C | Row B | Row A | Col C | Col B | Col A | Scan | N/C | Control | Caps | Decent 1200 Keyboard rev. 3 © Bertrand Le Roy 2023 / https://github.com/bleroy/3d-junkyard/tree/main/Decent1200 / https://atariage.com/forums/profile/76850-screamingattheradio/ / https://www.twitch.tv/screamingattheradio / https://www.youtube.com/@ScreamingAtTheRadio | Del | Return | Set | _ | \ | | | ^ | Space | Break | Clr | Esc | Shift | ! | Q | A | {dblquote} | Z | W | S | # | X | E | D | $ | C | R | F | % | V | T | G | & | B | Y | H | N | U | J | M | I | K | ( | [ | O | L | ) | ] | P | : | Clear | ? | Insert | 1 | 2 | 3 | 4 | 5 | 6 | 7 | 8 | 9 | 0 | Tab | , | . | ; | / | - | + | = | ' | @ | < | > | *
F.Silkscreen: Backlight | R1 | R2 | R3 | R4 | R5 | R6 | R7 | R8 | C1 | C2 | C3 | C4 | C5 | C6 | C7 | C8 | C9 | 5V | GND | Option | Select | Start | Reset | Row C | Row B | Row A | Col C | Col B | Col A | Scan | N/C | Col 1 | Control | Caps | Decent 1200 Keyboard rev. 3 © Bertrand Le Roy 2023 / https://github.com/bleroy/3d-junkyard/tree/main/Decent1200 / https://atariage.com/forums/profile/76850-screamingattheradio/ / https://www.twitch.tv/screamingattheradio / https://www.youtube.com/@ScreamingAtTheRadio | Esc | Clr | ! | Q | A | {dblquote} | Z | W | S | # | X | E | D | $ | C | R | F | % | V | T | G | & | B | Y | H | N | U | J | F1 | M | I | K | ( | F2 | [ | O | L | ) | F3 | ] | P | : | Clear | F4 | ? | Insert | Help | Inverse | Break | 1 | 2 | 3 | 4 | 5 | 6 | 7 | 8 | 9 | 0 | Del | Tab | , | . | ; | / | - | + | = | Set | _ | \ | | | Return | Shift | Space | ' | @ | < | > | * | ^
